# Altium PCB Charge_station.PcbDoc (part 1 of 2) (continued)
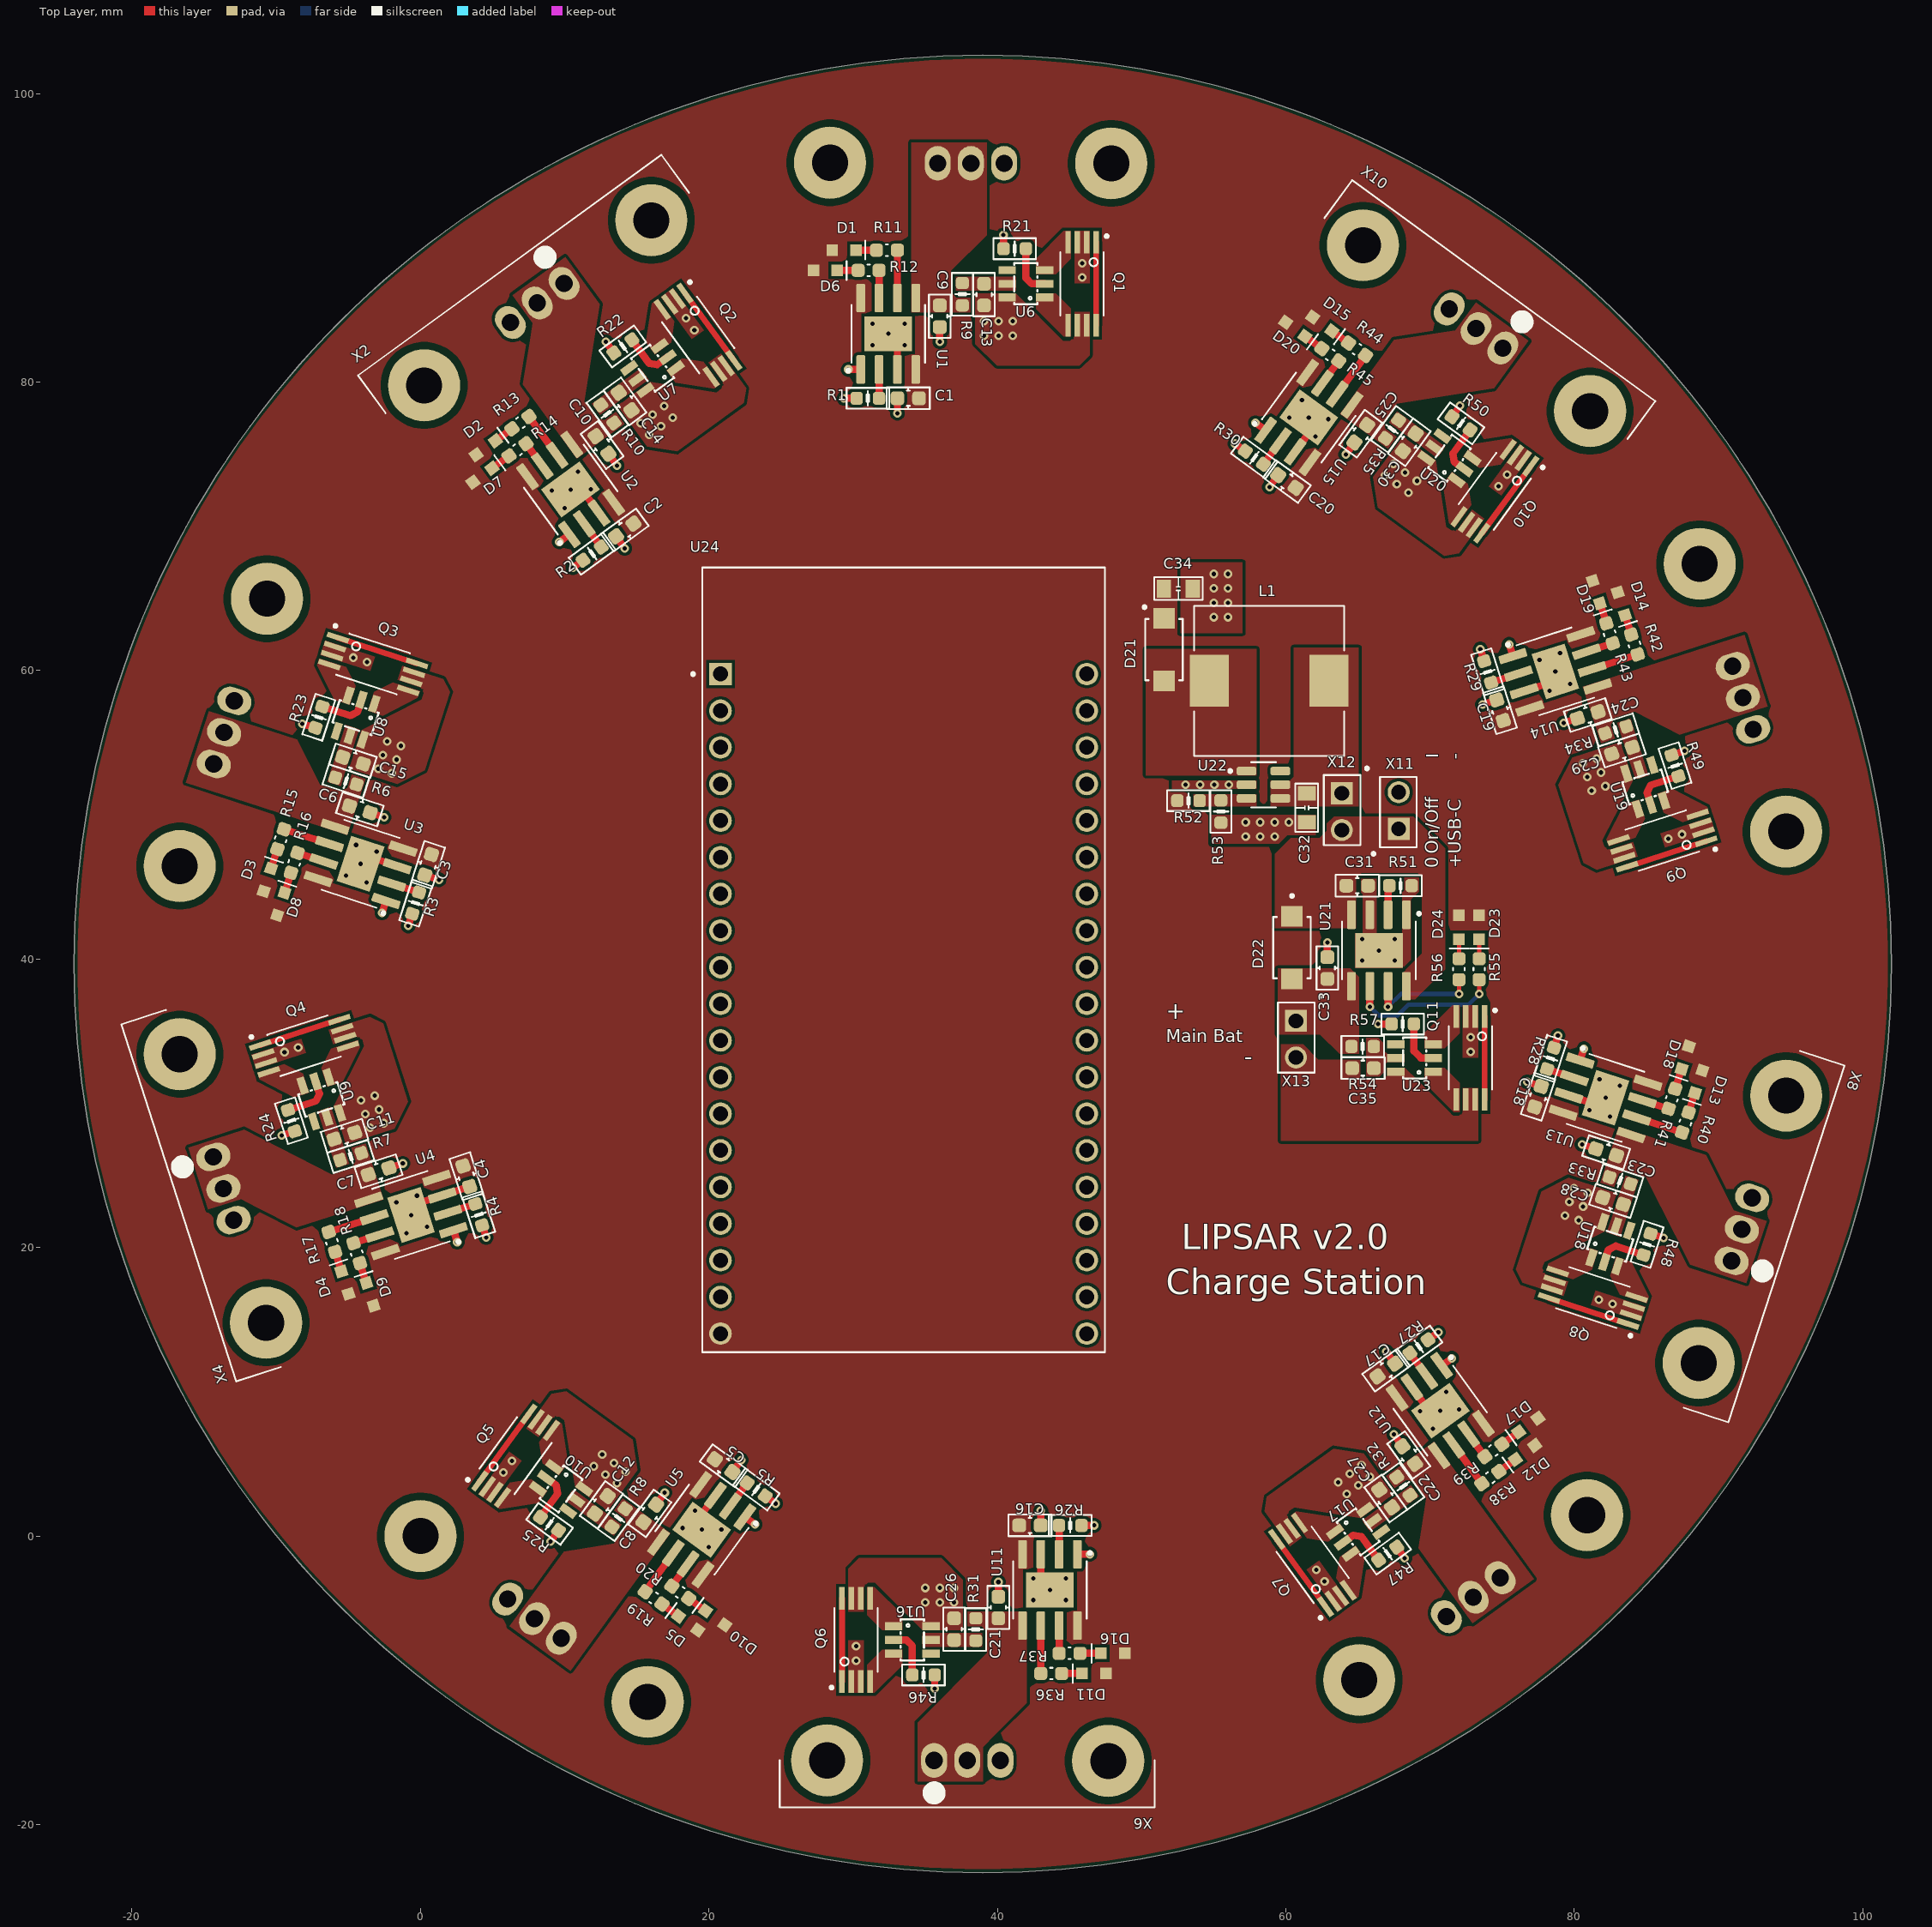
[diagram p0: Top Layer view]
## Design rules (kind name [scope] priority, off if disabled: settings) (continued)
ComponentClearance [All] p2: gap=0.254 collisioncheckmode=3 verticalgap=0.254 showdistances=FALSE
DiffPairsRouting "DiffPairsRouting 1 Oz_1" [All] p1: maxlimit=0.254 minlimit=0.2 mostfreqgap=0.254 toplayer_minwidth=0.2 toplayer_maxwidth=0.381 toplayer_prefwidth=0.381 bottomlayer_minwidth=0.2 bottomlayer_maxwidth=0.381 bottomlayer_prefwidth=0.381 maxuncoupledlength=12.7
DiffPairsRouting "DiffPairsRouting 1/2 Oz_1" [All] p2: maxlimit=0.254 minlimit=0.1 mostfreqgap=0.254 toplayer_minwidth=0.1 toplayer_maxwidth=0.381 toplayer_prefwidth=0.381 bottomlayer_minwidth=0.1 bottomlayer_maxwidth=0.381 bottomlayer_prefwidth=0.381 maxuncoupledlength=12.7
DiffPairsRouting "DiffPairsRouting 1 Oz" [All] p3: maxlimit=0.254 minlimit=0.2 mostfreqgap=0.254 toplayer_minwidth=0.2 toplayer_maxwidth=0.381 toplayer_prefwidth=0.381 bottomlayer_minwidth=0.2 bottomlayer_maxwidth=0.381 bottomlayer_prefwidth=0.381 maxuncoupledlength=12.7
DiffPairsRouting "DiffPairsRouting 1/2 Oz" [All] p4: maxlimit=0.254 minlimit=0.1 mostfreqgap=0.254 toplayer_minwidth=0.1 toplayer_maxwidth=0.381 toplayer_prefwidth=0.381 bottomlayer_minwidth=0.1 bottomlayer_maxwidth=0.381 bottomlayer_prefwidth=0.381 maxuncoupledlength=12.7
FabricationTestPointUsage FabricationTestPointUsage_1 [All] p1: valid=0 allowmultiple=FALSE
FabricationTestPointUsage [All] p2: valid=0 allowmultiple=FALSE
FabricationTestpoint FabricationTestpoint_1 [All] p1: side=3 testpointundercomponent=TRUE minsize=1.016 maxsize=2.54 preferedsize=1.524 minholesize=0 maxholesize=1.016 preferedholesize=0.813 testpointgrid=0.025 allowsidetop=TRUE allowsidebottom=TRUE usegrid=TRUE gridtolerance=0
FabricationTestpoint [All] p2: side=3 testpointundercomponent=TRUE minsize=1.016 maxsize=2.54 preferedsize=1.524 minholesize=0 maxholesize=1.016 preferedholesize=0.813 testpointgrid=0.025 allowsidetop=TRUE allowsidebottom=TRUE usegrid=TRUE gridtolerance=0
FanoutControl Fanout_BGA_1 [IsBGA] p1: bgadir=Out bgaviamode=Centered fanoutstyle=Auto fanoutdirection=Alternating viagrid=0.025 // Fanout_BGA (Default Rule)
FanoutControl Fanout_LCC_1 [IsLCC] p2: bgadir=Out bgaviamode=Centered fanoutstyle=Auto fanoutdirection=Alternating viagrid=0.025 // Fanout_LCC (Default Rule)
FanoutControl Fanout_SOIC_1 [IsSOIC] p3: bgadir=Out bgaviamode=Centered fanoutstyle=Auto fanoutdirection=Alternating viagrid=0.025 // Fanout_SOIC (Default Rule)
FanoutControl Fanout_Small_1 [(CompPinCount < 5)] p4: bgadir=Out bgaviamode=Centered fanoutstyle=Auto fanoutdirection=OutThenIn viagrid=0.025 // Fanout_Small (Default Rule)
FanoutControl Fanout_Default_1 [All] p5: bgadir=Out bgaviamode=Centered fanoutstyle=Auto fanoutdirection=Alternating viagrid=0.025 // Fanout_Default (Default Rule)
FanoutControl Fanout_BGA [IsBGA] p6: bgadir=Out bgaviamode=Centered fanoutstyle=Auto fanoutdirection=Alternating viagrid=0.025 // Fanout_BGA (Default Rule)
FanoutControl Fanout_LCC [IsLCC] p7: bgadir=Out bgaviamode=Centered fanoutstyle=Auto fanoutdirection=Alternating viagrid=0.025 // Fanout_LCC (Default Rule)
FanoutControl Fanout_SOIC [IsSOIC] p8: bgadir=Out bgaviamode=Centered fanoutstyle=Auto fanoutdirection=Alternating viagrid=0.025 // Fanout_SOIC (Default Rule)
FanoutControl Fanout_Small [(CompPinCount < 5)] p9: bgadir=Out bgaviamode=Centered fanoutstyle=Auto fanoutdirection=OutThenIn viagrid=0.025 // Fanout_Small (Default Rule)
FanoutControl Fanout_Default [All] p10: bgadir=Out bgaviamode=Centered fanoutstyle=Auto fanoutdirection=Alternating viagrid=0.025 // Fanout_Default (Default Rule)
Height Height_1 [All] p1: minheight=0 maxheight=25.4 prefheight=12.7
Height [All] p2: minheight=0 maxheight=25.4 prefheight=12.7
HoleSize "Minimum HoleSize_1" [IsPad] p1: absolutevalues=TRUE maxlimit=5.9 minlimit=0.6 maxpercent=80.000 minpercent=20.000
HoleSize "Minimum HoleSize VIA _2" [IsVia] p2: absolutevalues=TRUE maxlimit=5.9 minlimit=0.3 maxpercent=80.000 minpercent=20.000 // Standart
HoleSize "Minimum HoleSize VIA _1" [IsVia] p3: absolutevalues=TRUE maxlimit=5.9 minlimit=0.2 maxpercent=80.000 minpercent=20.000 // Advance
HoleSize "Minimum HoleSize" [IsPad] p4: absolutevalues=TRUE maxlimit=5.9 minlimit=0.6 maxpercent=80.000 minpercent=20.000
HoleSize "Minimum HoleSize VIA 1" [IsVia] p5: absolutevalues=TRUE maxlimit=5.9 minlimit=0.3 maxpercent=80.000 minpercent=20.000 // Standart
HoleSize "Minimum HoleSize VIA 2" [IsVia] p6: absolutevalues=TRUE maxlimit=5.9 minlimit=0.2 maxpercent=80.000 minpercent=20.000 // Advance
HoleToHoleClearance Hole2HoleClearance_1 [All] p1: gap=0.25 allowstackedmicrovias=FALSE
HoleToHoleClearance Hole2HoleClearance [All] p2: gap=0.25 allowstackedmicrovias=FALSE
LayerPairs LayerPairs_1 [All] p1: enforce=TRUE
LayerPairs [All] p2: enforce=TRUE
MinimumAnnularRing "Minimum AR VIA Standart_1" [IsVia] p1: minimumring=0.15
MinimumAnnularRing "Minimum AR PAD Standart_1" [IsPAD] p2: minimumring=0.2
MinimumAnnularRing "Minimum AR VIA Advance_1" [IsVia] p3 off: minimumring=0.1
MinimumAnnularRing "Minimum AR PAD Advance_1" [IsPAD] p4 off: minimumring=0.15
MinimumAnnularRing "Minimum AR VIA Standart" [IsVia] p5: minimumring=0.15
MinimumAnnularRing "Minimum AR PAD Standart" [IsPAD] p6: minimumring=0.2
MinimumAnnularRing "Minimum AR VIA Advance" [IsVia] p7 off: minimumring=0.1
MinimumAnnularRing "Minimum AR PAD Advance" [IsPAD] p8 off: minimumring=0.15
MinimumSolderMaskSliver "SolderMask Bridge Standart_1" [All] p1: minsoldermaskwidth=0.15 // All Masks
MinimumSolderMaskSliver "SolderMask Bridge Advance_1" [All] p2: minsoldermaskwidth=0.1 // Mask LDI
MinimumSolderMaskSliver "SolderMask Bridge Standart" [All] p3: minsoldermaskwidth=0.15 // All Masks
MinimumSolderMaskSliver "SolderMask Bridge Advance" [All] p4: minsoldermaskwidth=0.1 // Mask LDI
NetAntennae NetAntennae_1 [All] p1: netantennaetolerance=0
NetAntennae [All] p2: netantennaetolerance=0
PasteMaskExpansion [All] p1 off: expansion=0
PlaneClearance "PlaneClearance 3 Oz_1" [All] p1 off: clearance=0.35
PlaneClearance "PlaneClearance 2 Oz_1" [All] p2 off: clearance=0.3
PlaneClearance "PlaneClearance 1 Oz_1" [All] p3 off: clearance=0.2
PlaneClearance "PlaneClearance-1 1/2 Oz_1" [All] p4: clearance=0.2 // Standart
PlaneClearance "PlaneClearance-2 1/2 Oz_1" [All] p5 off: clearance=0.15 // Advance
PlaneClearance "PlaneClearance 3 Oz" [All] p6 off: clearance=0.35
PlaneClearance "PlaneClearance 2 Oz" [All] p7 off: clearance=0.3
PlaneClearance "PlaneClearance 1 Oz" [All] p8 off: clearance=0.2
PlaneClearance "PlaneClearance-1 1/2 Oz" [All] p9: clearance=0.2 // Standart
PlaneClearance "PlaneClearance-2 1/2 Oz" [All] p10 off: clearance=0.15 // Advance
PlaneConnect "TermalConnect 3 Oz_1" [All] p1 off: planeconnectstyle=Relief reliefexpansion=0.2 reliefentries=4 reliefconductorwidth=0.35 reliefairgap=0.35 // Standart
PlaneConnect "TermalConnect 2 Oz_1" [All] p2 off: planeconnectstyle=Relief reliefexpansion=0.2 reliefentries=4 reliefconductorwidth=0.3 reliefairgap=0.3 // Standart
PlaneConnect "TermalConnect-1 1 Oz_1" [All] p3 off: planeconnectstyle=Relief reliefexpansion=0.2 reliefentries=4 reliefconductorwidth=0.2 reliefairgap=0.2 // Standart
PlaneConnect "TermalConnect-2 1 Oz_1" [All] p4 off: pad.planeconnectstyle=Relief pad.reliefexpansion=0.15 pad.reliefentries=4 pad.reliefconductorwidth=0.2 pad.reliefairgap=0.2 via.planeconnectstyle=Direct via.reliefexpansion=0.15 via.reliefentries=4 via.reliefconductorwidth=0.15 via.reliefairgap=0.15 // Advance
PlaneConnect "TermalConnect-1 1/2 Oz_1" [All] p5: planeconnectstyle=Direct reliefexpansion=0.2 reliefentries=4 reliefconductorwidth=0.2 reliefairgap=0.2 // Standart
PlaneConnect "TermalConnect-2 1/2 Oz_1" [All] p6 off: pad.planeconnectstyle=Relief pad.reliefexpansion=0.15 pad.reliefentries=4 pad.reliefconductorwidth=0.15 pad.reliefairgap=0.15 via.planeconnectstyle=Direct via.reliefexpansion=0.15 via.reliefentries=4 via.reliefconductorwidth=0.15 via.reliefairgap=0.15 // Advance
PlaneConnect "TermalConnect 3 Oz" [All] p7 off: planeconnectstyle=Relief reliefexpansion=0.2 reliefentries=4 reliefconductorwidth=0.35 reliefairgap=0.35 // Standart
PlaneConnect "TermalConnect 2 Oz" [All] p8 off: planeconnectstyle=Relief reliefexpansion=0.2 reliefentries=4 reliefconductorwidth=0.3 reliefairgap=0.3 // Standart
PlaneConnect "TermalConnect-1 1 Oz" [All] p9 off: planeconnectstyle=Relief reliefexpansion=0.2 reliefentries=4 reliefconductorwidth=0.2 reliefairgap=0.2 // Standart
PlaneConnect "TermalConnect-2 1 Oz" [All] p10 off: pad.planeconnectstyle=Relief pad.reliefexpansion=0.15 pad.reliefentries=4 pad.reliefconductorwidth=0.2 pad.reliefairgap=0.2 via.planeconnectstyle=Direct via.reliefexpansion=0.15 via.reliefentries=4 via.reliefconductorwidth=0.15 via.reliefairgap=0.15 // Advance
PlaneConnect "TermalConnect-1 1/2 Oz" [All] p11: planeconnectstyle=Direct reliefexpansion=0.2 reliefentries=4 reliefconductorwidth=0.2 reliefairgap=0.2 // Standart
PlaneConnect "TermalConnect-2 1/2 Oz" [All] p12 off: pad.planeconnectstyle=Relief pad.reliefexpansion=0.15 pad.reliefentries=4 pad.reliefconductorwidth=0.15 pad.reliefairgap=0.15 via.planeconnectstyle=Direct via.reliefexpansion=0.15 via.reliefentries=4 via.reliefconductorwidth=0.15 via.reliefairgap=0.15 // Advance
PolygonConnect "PolygonConnect 3 Oz_1" [All] p1 off: thpad.connectstyle=Relief thpad.reliefconductorwidth=0.35 thpad.reliefentries=4 thpad.polygonreliefangle="90 Angle" thpad.airgapwidth=0.35 smdpad.connectstyle=Relief smdpad.reliefconductorwidth=0.35 smdpad.reliefentries=4 smdpad.polygonreliefangle="90 Angle" smdpad.airgapwidth=0.35 via.connectstyle=Direct via.reliefconductorwidth=0.254 via.reliefentries=4 via.polygonreliefangle="90 Angle" via.airgapwidth=0.254
PolygonConnect "PolygonConnect 2 Oz_1" [All] p2 off: thpad.connectstyle=Relief thpad.reliefconductorwidth=0.3 thpad.reliefentries=4 thpad.polygonreliefangle="90 Angle" thpad.airgapwidth=0.3 smdpad.connectstyle=Relief smdpad.reliefconductorwidth=0.3 smdpad.reliefentries=4 smdpad.polygonreliefangle="90 Angle" smdpad.airgapwidth=0.3 via.connectstyle=Direct via.reliefconductorwidth=0.254 via.reliefentries=4 via.polygonreliefangle="90 Angle" via.airgapwidth=0.254
PolygonConnect "PolygonConnect-1 1 Oz_1" [All] p3 off: thpad.connectstyle=Relief thpad.reliefconductorwidth=0.2 thpad.reliefentries=4 thpad.polygonreliefangle="90 Angle" thpad.airgapwidth=0.2 smdpad.connectstyle=Relief smdpad.reliefconductorwidth=0.2 smdpad.reliefentries=4 smdpad.polygonreliefangle="90 Angle" smdpad.airgapwidth=0.2 via.connectstyle=Direct via.reliefconductorwidth=0.254 via.reliefentries=4 via.polygonreliefangle="90 Angle" via.airgapwidth=0.254 // Standart
PolygonConnect "PolygonConnect-2 1 Oz_1" [All] p4 off: thpad.connectstyle=Relief thpad.reliefconductorwidth=0.15 thpad.reliefentries=4 thpad.polygonreliefangle="90 Angle" thpad.airgapwidth=0.15 smdpad.connectstyle=Relief smdpad.reliefconductorwidth=0.15 smdpad.reliefentries=4 smdpad.polygonreliefangle="90 Angle" smdpad.airgapwidth=0.15 via.connectstyle=Direct via.reliefconductorwidth=0.254 via.reliefentries=4 via.polygonreliefangle="90 Angle" via.airgapwidth=0.254 // Advance
PolygonConnect "PolygonConnect-1 1/2 Oz_1" [All] p5: connectstyle=Direct reliefconductorwidth=0.15 reliefentries=4 polygonreliefangle="90 Angle" airgapwidth=0.2 // Standart
PolygonConnect "PolygonConnect-2 1/2 Oz_1" [All] p6 off: thpad.connectstyle=Relief thpad.reliefconductorwidth=0.125 thpad.reliefentries=4 thpad.polygonreliefangle="90 Angle" thpad.airgapwidth=0.15 smdpad.connectstyle=Relief smdpad.reliefconductorwidth=0.125 smdpad.reliefentries=4 smdpad.polygonreliefangle="90 Angle" smdpad.airgapwidth=0.15 via.connectstyle=Direct via.reliefconductorwidth=0.254 via.reliefentries=4 via.polygonreliefangle="90 Angle" via.airgapwidth=0.254 // Advance
PolygonConnect "PolygonConnect 3 Oz" [All] p7 off: thpad.connectstyle=Relief thpad.reliefconductorwidth=0.35 thpad.reliefentries=4 thpad.polygonreliefangle="90 Angle" thpad.airgapwidth=0.35 smdpad.connectstyle=Relief smdpad.reliefconductorwidth=0.35 smdpad.reliefentries=4 smdpad.polygonreliefangle="90 Angle" smdpad.airgapwidth=0.35 via.connectstyle=Direct via.reliefconductorwidth=0.254 via.reliefentries=4 via.polygonreliefangle="90 Angle" via.airgapwidth=0.254
PolygonConnect "PolygonConnect 2 Oz" [All] p8 off: thpad.connectstyle=Relief thpad.reliefconductorwidth=0.3 thpad.reliefentries=4 thpad.polygonreliefangle="90 Angle" thpad.airgapwidth=0.3 smdpad.connectstyle=Relief smdpad.reliefconductorwidth=0.3 smdpad.reliefentries=4 smdpad.polygonreliefangle="90 Angle" smdpad.airgapwidth=0.3 via.connectstyle=Direct via.reliefconductorwidth=0.254 via.reliefentries=4 via.polygonreliefangle="90 Angle" via.airgapwidth=0.254
PolygonConnect "PolygonConnect-1 1 Oz" [All] p9 off: thpad.connectstyle=Relief thpad.reliefconductorwidth=0.2 thpad.reliefentries=4 thpad.polygonreliefangle="90 Angle" thpad.airgapwidth=0.2 smdpad.connectstyle=Relief smdpad.reliefconductorwidth=0.2 smdpad.reliefentries=4 smdpad.polygonreliefangle="90 Angle" smdpad.airgapwidth=0.2 via.connectstyle=Direct via.reliefconductorwidth=0.254 via.reliefentries=4 via.polygonreliefangle="90 Angle" via.airgapwidth=0.254 // Standart
PolygonConnect "PolygonConnect-2 1 Oz" [All] p10 off: thpad.connectstyle=Relief thpad.reliefconductorwidth=0.15 thpad.reliefentries=4 thpad.polygonreliefangle="90 Angle" thpad.airgapwidth=0.15 smdpad.connectstyle=Relief smdpad.reliefconductorwidth=0.15 smdpad.reliefentries=4 smdpad.polygonreliefangle="90 Angle" smdpad.airgapwidth=0.15 via.connectstyle=Direct via.reliefconductorwidth=0.254 via.reliefentries=4 via.polygonreliefangle="90 Angle" via.airgapwidth=0.254 // Advance
PolygonConnect "PolygonConnect-1 1/2 Oz" [All] p11: connectstyle=Direct reliefconductorwidth=0.15 reliefentries=4 polygonreliefangle="90 Angle" airgapwidth=0.2 // Standart
PolygonConnect "PolygonConnect-2 1/2 Oz" [All] p12 off: thpad.connectstyle=Relief thpad.reliefconductorwidth=0.125 thpad.reliefentries=4 thpad.polygonreliefangle="90 Angle" thpad.airgapwidth=0.15 smdpad.connectstyle=Relief smdpad.reliefconductorwidth=0.125 smdpad.reliefentries=4 smdpad.polygonreliefangle="90 Angle" smdpad.airgapwidth=0.15 via.connectstyle=Direct via.reliefconductorwidth=0.254 via.reliefentries=4 via.polygonreliefangle="90 Angle" via.airgapwidth=0.254 // Advance
RoutingCorners RoutingCorners_1 [All] p1 off: cornerstyle=45-Degree minsetback=2.54 maxsetback=2.54
RoutingCorners [All] p2 off: cornerstyle=45-Degree minsetback=2.54 maxsetback=2.54
RoutingLayers RoutingLayers_1 [All] p1: top layer_v5=TRUE bottom layer_v5=TRUE
RoutingLayers [All] p2: top layer_v5=TRUE bottom layer_v5=TRUE
RoutingPriority RoutingPriority_1 [All] p1: routingpriority=0
RoutingPriority [All] p2: routingpriority=0
RoutingTopology RoutingTopology_1 [All] p1: topology=Shortest
RoutingTopology [All] p2: topology=Shortest
RoutingVias RoutingVias_1 [All] p1: holewidth=0.3 width=0.6 viastyle="Through Hole" minholewidth=0.3 minwidth=0.6 maxholewidth=5.9 maxwidth=6.4
RoutingVias [All] p2: holewidth=0.3 width=0.6 viastyle="Through Hole" minholewidth=0.3 minwidth=0.6 maxholewidth=5.9 maxwidth=6.4
ShortCircuit ShortCircuit_1 [All] p1: allowed=FALSE
ShortCircuit [All] p2: allowed=FALSE
SilkToBoardRegionClearance SilkToBoardRegionClearance_3 [All] p1:
SilkToBoardRegionClearance SilkToBoardRegionClearance_2 [All] p2:
SilkToBoardRegionClearance SilkToBoardRegionClearance_1 [All] p3:
SilkToBoardRegionClearance [All] p4:
SilkToSilkClearance Silk2SilkClearance_1 [All] p1 off: silktosilkclearance=0.15
SilkToSilkClearance Silk2SilkClearance [All] p2 off: silktosilkclearance=0.15
SilkToSolderMaskClearance Silk2SolderMaskClearance_1 [IsPad] p1 off: minsilkscreentomaskgap=0.15 clearancetoexposedcopper=TRUE
SilkToSolderMaskClearance Silk2SolderMaskClearance [IsPad] p2 off: minsilkscreentomaskgap=0.15 clearancetoexposedcopper=TRUE
SolderMaskExpansion [IsVia] p1: expansion=0.102 istentingtop=TRUE
SolderMaskExpansion SolderMaskExpansion-1 [All] p2: expansion=0.05 istentingtop=FALSE // Standart
SolderMaskExpansion "SolderMaskExpansion LDI" [All] p3 off: expansion=0.025 istentingtop=FALSE // Advance
UnRoutedNet UnRoutedNet_1 [All] p1: checkbadconnections=TRUE
UnRoutedNet [All] p2: checkbadconnections=TRUE
UnpouredPolygon UnpouredPolygon_1 [All] p1:
UnpouredPolygon [All] p2:
Width "Width 3 Oz_1" [All] p1 off: maxlimit=10 minlimit=0.35 preferedwidth=0.4 checkconnectedcopper=TRUE
Width "Width 2 Oz_1" [All] p2 off: maxlimit=10 minlimit=0.3 preferedwidth=0.35 minimp=50.000000 maximp=50.000000 favimp=50.000000 checkconnectedcopper=TRUE
Width "Width 1 Oz_1" [All] p3 off: maxlimit=10 minlimit=0.15 preferedwidth=0.2 checkconnectedcopper=TRUE
Width "Width 1/2 Oz_1" [All] p4: maxlimit=10 minlimit=0.125 preferedwidth=0.2 checkconnectedcopper=TRUE
Width "Width 3 Oz" [All] p5 off: maxlimit=10 minlimit=0.35 preferedwidth=0.4 checkconnectedcopper=TRUE
Width "Width 2 Oz" [All] p6 off: maxlimit=10 minlimit=0.3 preferedwidth=0.35 minimp=50.000000 maximp=50.000000 favimp=50.000000 checkconnectedcopper=TRUE
Width "Width 1 Oz" [All] p7 off: maxlimit=10 minlimit=0.15 preferedwidth=0.2 checkconnectedcopper=TRUE
Width "Width 1/2 Oz" [All] p8: maxlimit=10 minlimit=0.125 preferedwidth=0.2 checkconnectedcopper=TRUE

## Components (designator, comment, footprint, x,y, rotation, side; value= is the part's Value field where it differs from the comment)
C1 "STD_CAP" CAPC1608X90N 33.815,78.878 r0 top value="10 uF"
C2 "STD_CAP" CAPC1608X90N 14.163,69.75 r36.02 top value="10 uF"
C3 "STD_CAP" CAPC1608X90N 0.53,46.536 r71.96 top value="10 uF"
C4 "STD_CAP" CAPC1608X90N 3.184,24.946 r107.83 top value="10 uF"
C5 "STD_CAP" CAPC1608X90N 21.02,4.88 r143.9 top value="10 uF"
C6 "STD_CAP" CAPC1608X90N -4.202,50.38 r161.96 top value="10 uF"
C7 "STD_CAP" CAPC1608X90N -2.903,25.288 r197.83 top value="10 uF"
C8 "STD_CAP" CAPC1608X90N 15.898,1.572 r233.9 top value="10 uF"
C9 "STD_CAP" CAPC1608X90N 36.005,84.568 r90 top value="10 uF"
C10 "STD_CAP" CAPC1608X90N 12.588,75.64 r126.02 top value="10 uF"
C11 "STD_CAP" CAPC1608X90N -5.27,27.749 r197.83 top value="0.1 uF"
C12 "STD_CAP" CAPC1608X90N 12.536,2.167 r233.9 top value="0.1 uF"
C13 "STD_CAP" CAPC1608X90N 39.072,86.068 r90 top value="0.1 uF"
C14 "STD_CAP" CAPC1608X90N 14.186,78.657 r126.02 top value="0.1 uF"
C15 "STD_CAP" CAPC1608X90N -4.679,53.761 r161.96 top value="0.1 uF"
C16 "STD_CAP" CAPC1608X90N 42.257,0.74 r180 top value="10 uF"
C17 "STD_CAP" CAPC1608X90N 66.958,11.508 r215.9 top value="10 uF"
C18 "STD_CAP" CAPC1608X90N 77.477,30.457 r251.91 top value="10 uF"
C19 "STD_CAP" CAPC1608X90N 74.847,57.251 r287.88 top value="10 uF"
C20 "STD_CAP" CAPC1608X90N 60.072,73.112 r323.9 top value="10 uF"
C21 "STD_CAP" CAPC1608X90N 40.067,-4.95 r270 top value="10 uF"
C22 "STD_CAP" CAPC1608X90N 68.52,5.615 r305.9 top value="10 uF"
C23 "STD_CAP" CAPC1608X90N 82.206,26.609 r341.91 top value="10 uF"
C24 "STD_CAP" CAPC1608X90N 80.935,56.914 r17.88 top value="10 uF"
C25 "STD_CAP" CAPC1608X90N 65.194,76.419 r53.9 top value="10 uF"
C26 "STD_CAP" CAPC1608X90N 37,-6.45 r270 top value="0.1 uF"
C27 "STD_CAP" CAPC1608X90N 66.916,2.602 r305.9 top value="0.1 uF"
C28 "STD_CAP" CAPC1608X90N 82.68,23.228 r341.91 top value="0.1 uF"
C29 "STD_CAP" CAPC1608X90N 83.304,54.457 r17.88 top value="0.1 uF"
C30 "STD_CAP" CAPC1608X90N 68.556,75.824 r53.9 top value="0.1 uF"
C31 "STD_CAP" CAPC1608X90N 64.946,45.089 r180 top value="10 uF"
C32 "STD_CAP" CAPC2012X120N 61.446,50.489 r90 top value="10 uF"
C33 "STD_CAP" CAPC1608X90N 62.876,39.38 r270 top value="10 uF"
C34 "STD_CAP" CAPC2012X120N 52.546,65.689 r180 top value="10 uF"
C35 "STD_CAP" CAPC1608X90N 65.346,32.44 r0 top value="0.1 uF"
D1 "7012X1" LED_KPT-1608ZGC 29.372,89.146 r180 top
D2 "7012X1" LED_KPT-1608ZGC 4.53,75.443 r216.02 top
D3 "7012X1" LED_KPT-1608ZGC -10.61,45.49 r251.96 top
D4 "7012X1" LED_KPT-1608ZGC -5.231,17.572 r287.83 top
D5 "7012X1" LED_KPT-1608ZGC 18.561,-6.035 r323.9 top
D6 "7012X1" LED_KPT-1608ZGC 28.072,87.746 r180 top
D7 "7012X1" LED_KPT-1608ZGC 4.302,73.546 r216.02 top
D8 "7012X1" LED_KPT-1608ZGC -9.681,43.821 r251.96 top
D9 "7012X1" LED_KPT-1608ZGC -3.5,16.763 r287.83 top
D10 "7012X1" LED_KPT-1608ZGC 20.436,-5.67 r323.9 top
D11 "7012X1" LED_KPT-1608ZGC 46.7,-9.528 r0 top
D12 "7012X1" LED_KPT-1608ZGC 76.578,5.795 r35.9 top
D13 "7012X1" LED_KPT-1608ZGC 88.618,31.493 r71.91 top
D14 "7012X1" LED_KPT-1608ZGC 83.255,64.633 r107.88 top
D15 "7012X1" LED_KPT-1608ZGC 62.532,84.027 r143.9 top
D16 "7012X1" LED_KPT-1608ZGC 48,-8.128 r0 top
D17 "7012X1" LED_KPT-1608ZGC 76.811,7.692 r35.9 top
D18 "7012X1" LED_KPT-1608ZGC 87.691,33.163 r71.91 top
D19 "7012X1" LED_KPT-1608ZGC 81.524,65.44 r107.88 top
D20 "7012X1" LED_KPT-1608ZGC 60.657,83.661 r143.9 top
D21 "SS34ALH" SODFL5226X100N 51.546,61.454 r270 top
D22 "SS34ALH" SODFL5226X100N 60.423,40.795 r270 top
D23 "7012X1" LED_KPT-1608ZGC 73.4,42.2 r90 top
D24 "7012X1" LED_KPT-1608ZGC 72,42.2 r90 top
L1 "B82464G4223M000" IND_B82464G4223M000 58.846,59.289 r180 top
Q1 "FS8205A" SOP65P640X120-8N 45.872,86.818 r270 top
Q2 "FS8205A" SOP65P640X120-8N 19.245,83.263 r306.02 top
Q3 "FS8205A" SOP65P640X120-8N -3.287,60.459 r341.96 top
Q4 "FS8205A" SOP65P640X120-8N -8.066,33.992 r17.83 top
Q5 "FS8205A" SOP65P640X120-8N 6.6,5.567 r53.9 top
Q6 "FS8205A" SOP65P640X120-8N 30.2,-7.2 r90 top
Q7 "FS8205A" SOP65P640X120-8N 61.847,-1.993 r125.9 top
Q8 "FS8205A" SOP65P640X120-8N 81.282,16.531 r161.91 top
Q9 "FS8205A" SOP65P640X120-8N 86.106,48.215 r197.88 top
Q10 "FS8205A" SOP65P640X120-8N 74.492,72.424 r233.9 top
Q11 "FS8205A" SOP65P640X120-8N 72.8,33.145 r270 top
R1 "STD_RES" RESC1608X50AN 31.02,78.878 r0 top value="12 kOm"
R2 "STD_RES" RESC1608X50AN 11.902,68.107 r36.02 top value="12 kOm"
R3 "STD_RES" RESC1608X50AN -0.336,43.878 r71.96 top value="12 kOm"
R4 "STD_RES" RESC1608X50AN 4.04,22.285 r107.83 top value="12 kOm"
R5 "STD_RES" RESC1608X50AN 23.278,3.233 r143.9 top value="12 kOm"
R6 "STD_RES" RESC1608X50AN -5.167,52.342 r341.96 top value="100 Om"
R7 "STD_RES" RESC1608X50AN -4.834,26.313 r17.83 top value="100 Om"
R8 "STD_RES" RESC1608X50AN 13.734,1.263 r53.9 top value="100 Om"
R9 "STD_RES" RESC1608X50AN 37.572,86.093 r270 top value="100 Om"
R10 "STD_RES" RESC1608X50AN 12.958,77.795 r306.02 top value="100 Om"
R11 "STD_RES" R0603 32.34,89.146 r180 top value="1 kOm"
R12 "STD_RES" R0603 31.07,87.746 r180 top value="1 kOm"
R13 "STD_RES" R0603 6.931,77.188 r216.02 top value="1 kOm"
R14 "STD_RES" R0603 6.727,75.309 r216.02 top value="1 kOm"
R15 "STD_RES" R0603 -9.691,48.313 r251.96 top value="1 kOm"
R16 "STD_RES" R0603 -8.753,46.672 r251.96 top value="1 kOm"
R17 "STD_RES" R0603 -6.139,20.398 r287.83 top value="1 kOm"
R18 "STD_RES" R0603 -4.418,19.617 r287.83 top value="1 kOm"
R19 "STD_RES" R0603 16.162,-4.286 r323.9 top value="1 kOm"
R20 "STD_RES" R0603 18.013,-3.903 r323.9 top value="1 kOm"
R21 "STD_RES" RESC1608X50AN 41.197,89.246 r0 top value="1 kOm"
R22 "STD_RES" RESC1608X50AN 14.036,82.478 r36.02 top value="1 kOm"
R23 "STD_RES" RESC1608X50AN -7.043,56.765 r71.96 top value="1 kOm"
R24 "STD_RES" RESC1608X50AN -8.946,28.798 r107.83 top value="1 kOm"
R25 "STD_RES" RESC1608X50AN 8.947,0.851 r143.9 top value="1 kOm"
R26 "STD_RES" RESC1608X50AN 45.052,0.74 r180 top value="12 kOm"
R27 "STD_RES" RESC1608X50AN 69.222,13.147 r215.9 top value="12 kOm"
R28 "STD_RES" RESC1608X50AN 78.345,33.114 r251.91 top value="12 kOm"
R29 "STD_RES" RESC1608X50AN 73.989,59.911 r287.88 top value="12 kOm"
R30 "STD_RES" RESC1608X50AN 57.814,74.758 r323.9 top value="12 kOm"
R31 "STD_RES" RESC1608X50AN 38.5,-6.475 r90 top value="100 Om"
R32 "STD_RES" RESC1608X50AN 68.145,3.461 r125.9 top value="100 Om"
R33 "STD_RES" RESC1608X50AN 83.169,24.646 r161.91 top value="100 Om"
R34 "STD_RES" RESC1608X50AN 82.867,55.892 r197.88 top value="100 Om"
R35 "STD_RES" RESC1608X50AN 67.359,76.728 r233.9 top value="100 Om"
R36 "STD_RES" R0603 43.732,-9.528 r0 top value="1 kOm"
R37 "STD_RES" R0603 45.002,-8.128 r0 top value="1 kOm"
R38 "STD_RES" R0603 74.174,4.055 r35.9 top value="1 kOm"
R39 "STD_RES" R0603 74.382,5.934 r35.9 top value="1 kOm"
R40 "STD_RES" R0603 87.696,28.671 r71.91 top value="1 kOm"
R41 "STD_RES" R0603 86.76,30.313 r71.91 top value="1 kOm"
R42 "STD_RES" R0603 84.167,61.808 r107.88 top value="1 kOm"
R43 "STD_RES" R0603 82.444,62.587 r107.88 top value="1 kOm"
R44 "STD_RES" R0603 64.93,82.278 r143.9 top value="1 kOm"
R45 "STD_RES" R0603 63.079,81.895 r143.9 top value="1 kOm"
R46 "STD_RES" RESC1608X50AN 34.875,-9.628 r180 top value="1 kOm"
R47 "STD_RES" RESC1608X50AN 67.058,-1.219 r215.9 top value="1 kOm"
R48 "STD_RES" RESC1608X50AN 85.041,20.221 r251.91 top value="1 kOm"
R49 "STD_RES" RESC1608X50AN 86.981,53.41 r287.88 top value="1 kOm"
R50 "STD_RES" RESC1608X50AN 72.146,77.141 r323.9 top value="1 kOm"
R51 "STD_RES" RESC1608X50AN 67.946,45.089 r180 top value="1.2 kOm"
R52 "STD_RES" RESC1608X50AN 53.246,50.984 r180 top value="7.5 kOm"
R53 "STD_RES" RESC1608X50AN 55.496,50.234 r90 top value="1 kOm"
R54 "STD_RES" RESC1608X50AN 65.321,33.94 r180 top value="100 Om"
R55 "STD_RES" R0603 73.4,39.3 r90 top value="1 kOm"
R56 "STD_RES" R0603 72,39.3 r90 top value="1 kOm"
R57 "STD_RES" RESC1608X50AN 68.1,35.5 r0 top value="1 kOm"
U1 "TP4056" SOP127P600X175-9N 32.43,83.353 r90 top
U2 "TP4056" SOP127P600X175-9N 10.411,72.555 r126.02 top
U3 "TP4056" SOP127P600X175-9N -4.154,46.604 r161.96 top
U4 "TP4056" SOP127P600X175-9N -0.652,22.257 r197.83 top
U5 "TP4056" SOP127P600X175-9N 19.503,0.448 r233.9 top
U6 "DW01A" SOT23-6#1 41.972,86.818 r90 top
U7 "DW01A" SOT23-6#1 16.091,80.969 r126.02 top
U8 "DW01A" SOT23-6#1 -4.494,56.75 r161.96 top
U9 "DW01A" SOT23-6#1 -6.872,30.28 r197.83 top
U10 "DW01A" SOT23-6#1 9.751,3.27 r233.9 top
U11 "TP4056" SOP127P600X175-9N 43.642,-3.735 r270 top
U12 "TP4056" SOP127P600X175-9N 70.704,8.695 r305.9 top
U13 "TP4056" SOP127P600X175-9N 82.161,30.384 r341.91 top
U14 "TP4056" SOP127P600X175-9N 78.681,59.944 r17.88 top
U15 "TP4056" SOP127P600X175-9N 61.59,77.543 r53.9 top
U16 "DW01A" SOT23-6#1 34.1,-7.2 r270 top
U17 "DW01A" SOT23-6#1 65.006,0.294 r305.9 top
U18 "DW01A" SOT23-6#1 82.492,20.238 r341.91 top
U19 "DW01A" SOT23-6#1 84.908,51.927 r17.88 top
U20 "DW01A" SOT23-6#1 71.341,74.722 r53.9 top
U21 "TP4056" SOP127P600X175-9N 66.451,40.595 r270 top
U22 "MT3608" SOT95P280X145-6N 58.446,52.089 r0 top
U23 "DW01A" SOT23-6#2 68.926,33.145 r90 top
U24 "ESP32-DEVKITC-32D" MODULE_ESP32-DEVKITC-32D 33.5,40 r0 top
X1 "Charge Connector" POGO_CON 35.862,95.171 r0 bottom
X2 "Charge Connector" POGO_CON 9.957,86.838 r216.02 top
X3 "Charge Connector" POGO_CON -14.329,53.528 r71.96 bottom
X4 "Charge Connector" POGO_CON -14.362,26.285 r287.83 top
X5 "Charge Connector" POGO_CON 9.766,-7.08 r143.9 bottom
X6 "Charge Connector" POGO_CON 35.609,-15.553 r0 top
X7 "Charge Connector" POGO_CON 74.853,-2.891 r215.9 bottom
X8 "Charge Connector" POGO_CON 90.902,19.08 r71.91 top
X9 "Charge Connector" POGO_CON 90.982,60.306 r287.88 bottom
X10 "Charge Connector" POGO_CON 75.043,82.361 r143.9 top
X11 "CON2" CON4_bat 67.825,50.3 r90 top
X12 "CON2" CON4_bat 63.875,50.219 r270 top
X13 "CON2" CON4_bat 60.7,34.45 r270 top

## Footprints (in the part's own frame and the unit in brackets; to place one, negate y for a bottom-side part, rotate by r counter-clockwise, add the part's x,y. Pads: shape width x height; smd on the part's side, far side on the other; paste and mask are expansions set on the pad)
CAPC1608X90N [mm] "Chip Capacitor EIA 0603. METRIC 1608, 2-Leads, Body 1,6x0,8mm, IPC Medium Density"
  rrect50% 0.95x0.95 smd: 1(-0.75,0) 2(0.75,0)
  silkscreen extent -1.5,-0.75 1.5,0.75, body extent -0.8,-0.4 0.8,0.4, height 0.9
CAPC2012X120N [mm] "Chip Capacitor EIA 0805. METRIC 2012, 2-Leads, Body 2,0x1,2mm, IPC Medium Density"
  rect 1x1.25 smd mask+0.051: 1(-1,0) 2(1,0)
  silkscreen extent -1.68,-0.79 1.68,0.79, body extent -1,-0.63 1,0.64, height 0.57
CON4_bat [mm]
  rect 1.53x1.53 hole 1.02: 1(-1.27,0)
  round 1.53 hole 1.02: 2(1.27,0)
  silkscreen extent -3.1,-1.25 2.32,1.85
IND_B82464G4223M000 [mm]
  rect 2.7x3.6 smd: 1(-4.15,0) 2(4.15,0)
  silkscreen extent -5.2,-5.2 5.2,5.2, body extent -5.2,-5.2 5.2,5.2, height 4.8
LED_KPT-1608ZGC [mm]
  rect 0.8x0.8 smd: A(0.825,0) C(-0.825,0)
  silkscreen extent -1.48,-0.65 -1.48,0.65, body extent -0.8,-0.4 0.8,0.4, height 1.1
MODULE_ESP32-DEVKITC-32D [mm]
  rect 1.56x1.56 / inner round 1.56 / far side rect 1.56x1.56 hole 1.04: J2-1(-12.7,19.76)
  round 1.56 hole 1.04: J2-2(-12.7,17.22) J2-3(-12.7,14.68) J2-4(-12.7,12.14) J2-5(-12.7,9.6) J2-6(-12.7,7.06) J2-7(-12.7,4.52) J2-8(-12.7,1.98) J2-9(-12.7,-0.56) J2-10(-12.7,-3.1) J2-11(-12.7,-5.64) J2-12(-12.7,-8.18) J2-13(-12.7,-10.72) J2-14(-12.7,-13.26) J2-15(-12.7,-15.8) J2-16(-12.7,-18.34) J2-17(-12.7,-20.88) J2-18(-12.7,-23.42) J2-19(-12.7,-25.96) J3-1(12.7,19.76) J3-2(12.7,17.22) J3-3(12.7,14.68) J3-4(12.7,12.14) J3-5(12.7,9.6) J3-6(12.7,7.06) J3-7(12.7,4.52) J3-8(12.7,1.98) J3-9(12.7,-0.56) J3-10(12.7,-3.1) J3-11(12.7,-5.64) J3-12(12.7,-8.18) J3-13(12.7,-10.72) J3-14(12.7,-13.26) J3-15(12.7,-15.8) J3-16(12.7,-18.34) J3-17(12.7,-20.88) J3-18(12.7,-23.42) J3-19(12.7,-25.96)
  silkscreen extent -14.7,-27.25 13.95,27.15, body extent -13.97,-27.9 13.97,27.2, height 6.69
POGO_CON [mm]
  oval 1.8x2.4 hole 1.2: 1(0,0) 2(2.3,0) 3(4.6,0)
  silkscreen extent -10.7,-3.25 15.3,0, body extent -10.69,-3.24 15.29,3.24, height 6
R0603 [mm]
  rrect50% 0.9x0.9 smd: 1(-0.725,0) 2(0.725,0)
  silkscreen extent -0.08,-0.4 0.08,0.4, body extent -0.8,-0.41 0.8,0.39, height 0.45
RESC1608X50AN [mm] "Chip Resistor, 2-Leads, Body 1,6x0,8mm, IPC Medium Density"
  rrect50% 0.85x0.9 smd: 1(-0.775,0) 2(0.775,0)
  silkscreen extent -1.48,-0.72 1.48,0.72, body extent -0.8,-0.4 0.8,0.4, height 0.55
SODFL5226X100N [mm]
  rect 1.44x1.48 smd: 1(-2.165,0) 2(2.165,0)
  silkscreen extent -3.05,-1.45 2.12,1.3, body extent -2.6,-1.3 2.6,1.3, height 1
SOP65P640X120-8N [mm]
  rect 1.56x0.38 smd: 1(-2.88,0.975) 2(-2.88,0.325) 3(-2.88,-0.325) 4(-2.88,-0.975) 5(2.88,-0.975) 6(2.88,-0.325) 7(2.88,0.325) 8(2.88,0.975)
  silkscreen extent -3.4,-1.5 2.2,1.8, body extent -3.2,-1.5 3.2,1.5, height 1.2
SOP127P600X175-9N [mm]
  rrect25% 1.97x0.6 smd: 1(-2.475,1.905) 2(-2.475,0.635) 3(-2.475,-0.635) 4(-2.475,-1.905) 5(2.475,-1.905) 6(2.475,-0.635) 7(2.475,0.635) 8(2.475,1.905)
  rect 2.413x3.302 smd paste-3: 9(0,0)
  silkscreen extent -2.65,-2.55 2,2.87, body extent -3,-2.45 3,2.45, height 1.75
SOT23-6#1 [mm]
  rect 0.55x1.2 smd: 1(-0.95,-1.3) 2(0,-1.3) 3(0.95,-1.3) 4(0.95,1.3) 5(0,1.3) 6(-0.95,1.3)
  silkscreen extent -1.42,-0.81 1.42,0.81, body extent -1.45,-1.4 1.45,1.4, height 1.45
SOT23-6#2 [mm]
  rect 0.55x1.2 smd: 1(-0.95,-1.3) 2(0,-1.3) 4(0.95,1.3) 5(0,1.3) 6(-0.95,1.3)
  rect 0.55x1.2 smd paste+0: 3(0.95,-1.3)
  silkscreen extent -1.42,-0.81 1.42,0.81, body extent -1.45,-1.4 1.45,1.4, height 1.45
SOT95P280X145-6N [mm]
  rrect50% 1.37x0.59 smd: 1(-1.17,0.95) 2(-1.17,0) 3(-1.17,-0.95) 4(1.17,-0.95) 5(1.17,0) 6(1.17,0.95)
  silkscreen extent -2.4,-1.57 0.85,1.57, body extent -1.4,-1.45 1.4,1.45, height 1.45